# Altium PCB node24.PcbDoc (part 4 of 10)
Units mm, origin at the board's own origin, x right, y up, seen from the top; angles counter-clockwise.
Board outline 177.92 x 177.92 mm, 6 copper layers (L1 - Signal 1 (Top), L2 - Signal 2, L3 - Ground, L4 - Power, L5 - Signal 3, L6 - Signal 4 (Bot)), stack 1.511 mm thick; 721 components, 595 nets, 2782 pads, 2075 vias.
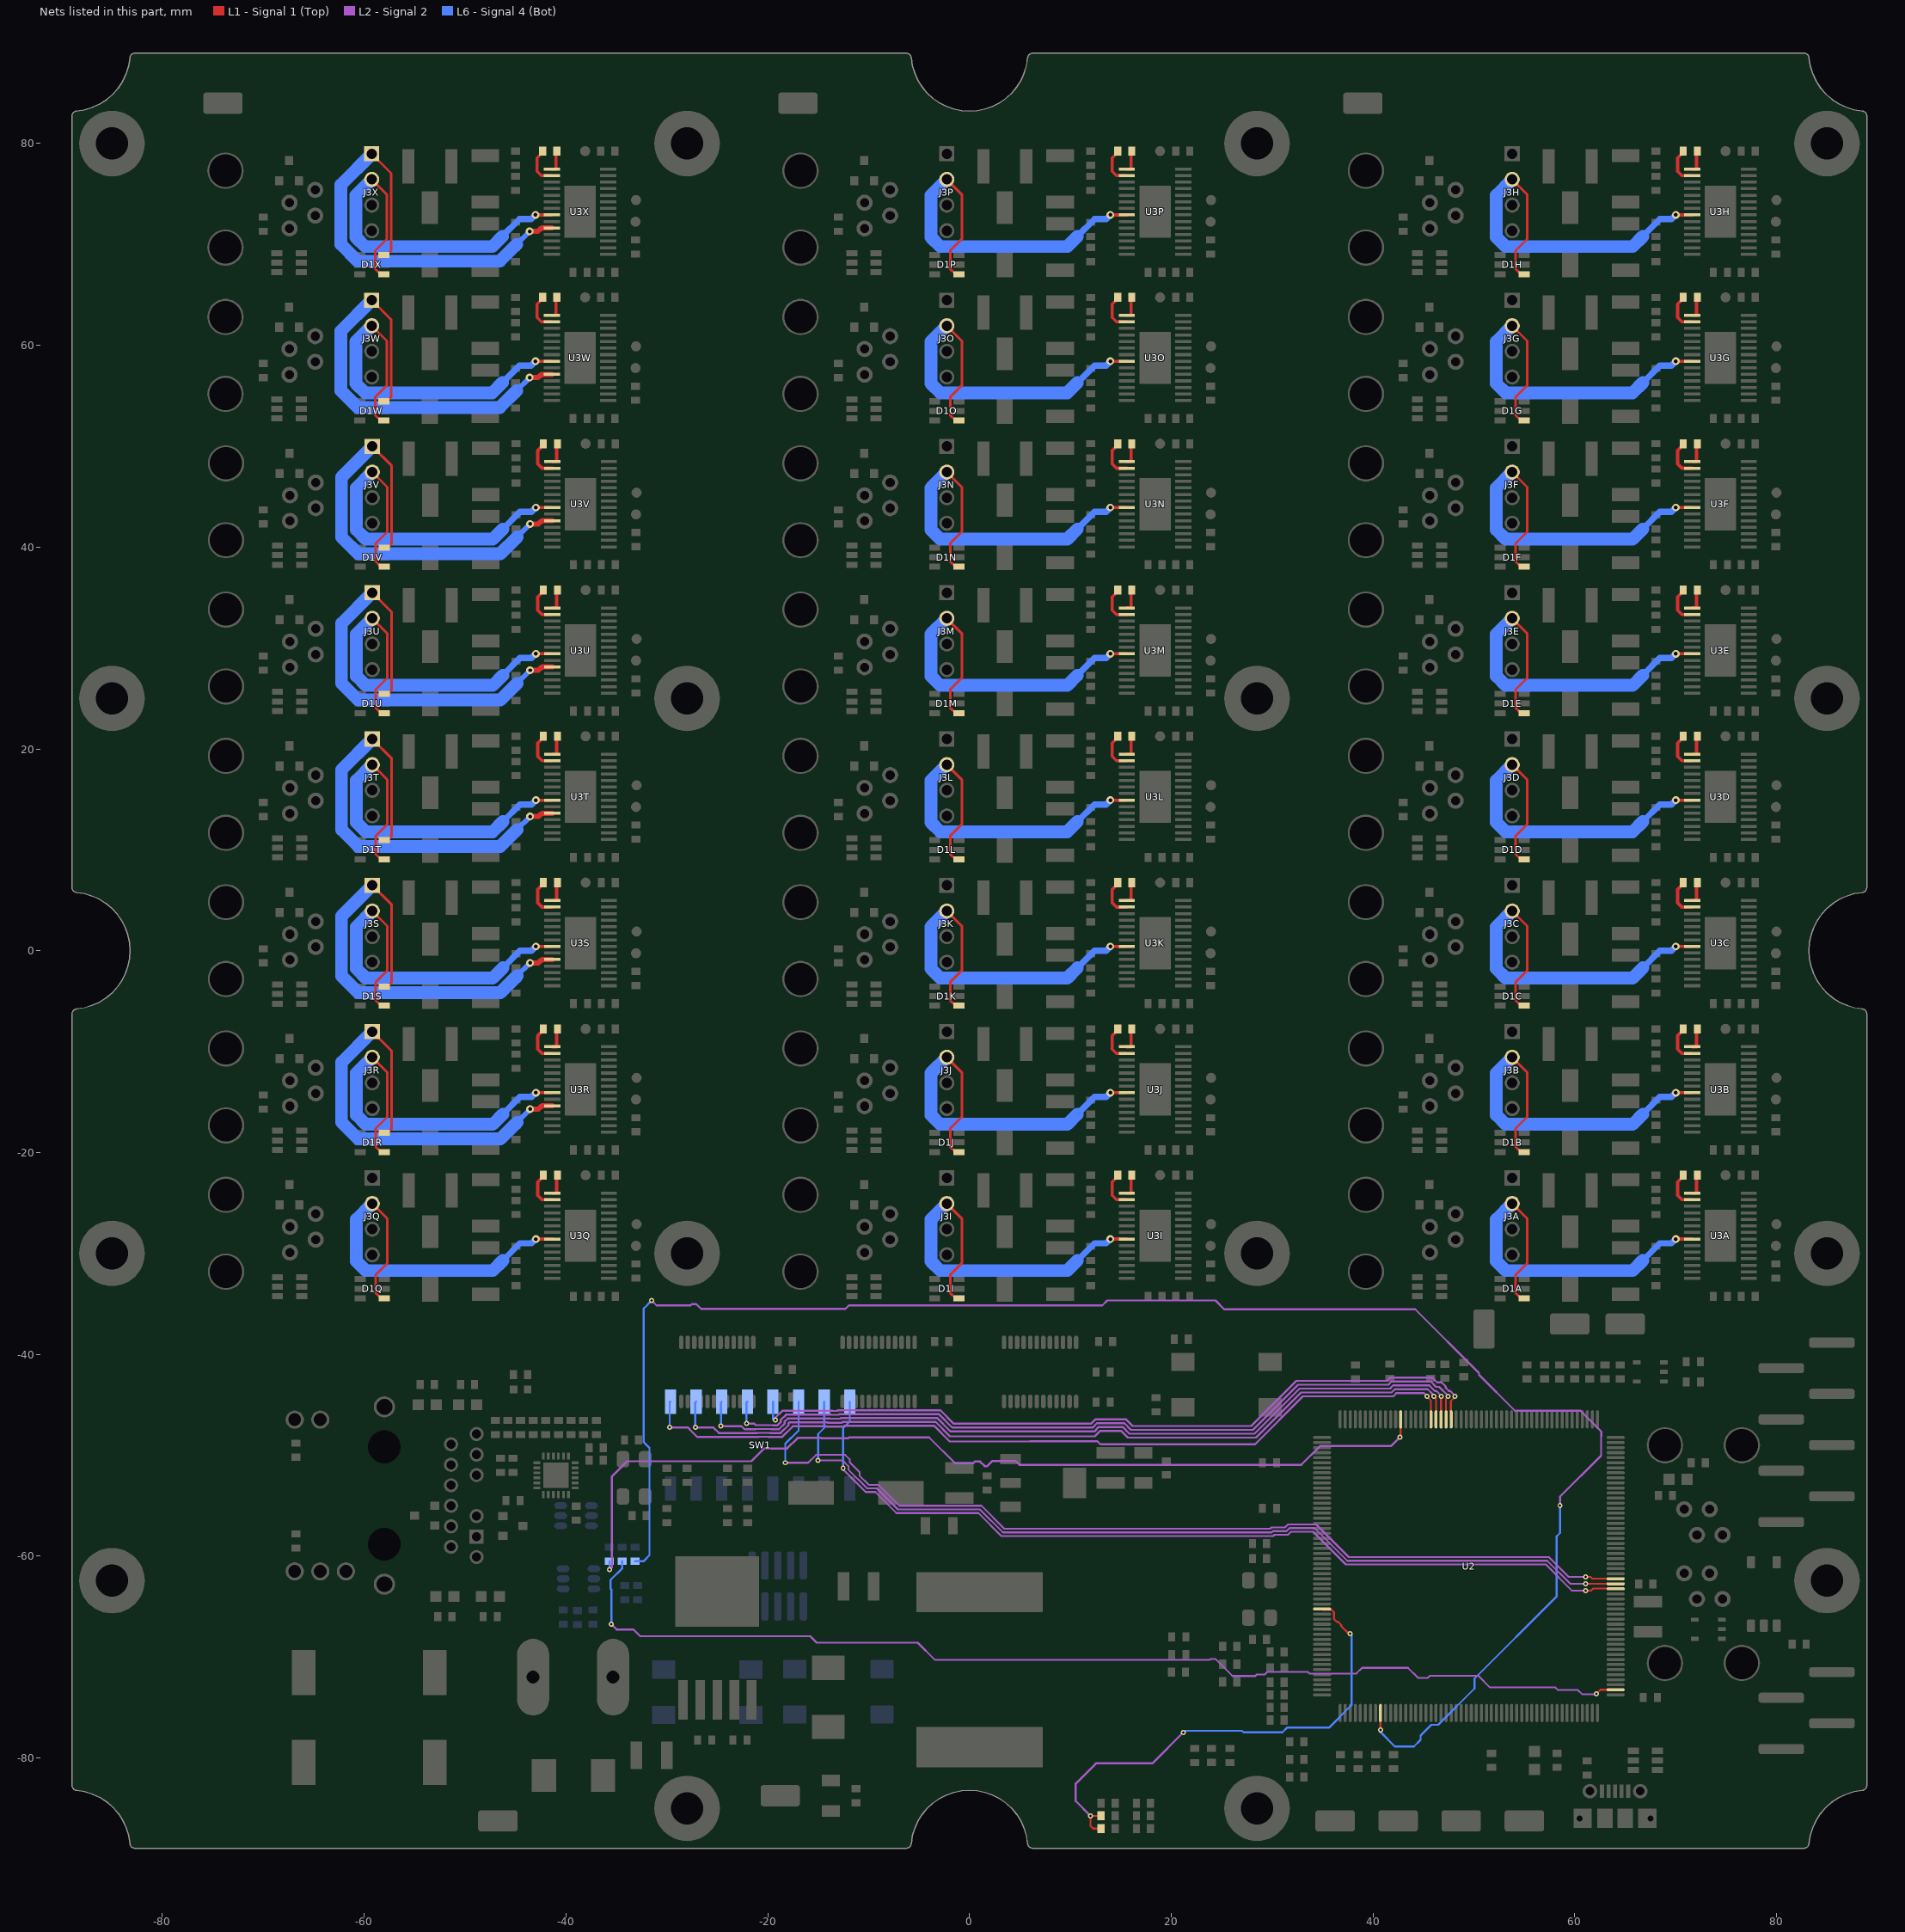
[diagram p8: the nets of this part, all layers, seen from the top]

## Via types
v1: diameter 0.508, hole 0.254, L1 - Signal 1 (Top) to L6 - Signal 4 (Bot), tented both sides, 1661 vias
v2: diameter 0.762, hole 0.381, L1 - Signal 1 (Top) to L6 - Signal 4 (Bot), 403 vias
v3: diameter 0.508, hole 0.254, L1 - Signal 1 (Top) to L6 - Signal 4 (Bot), 11 vias

## Nets (pads, with @x,y where several pads share a name; then routed paths per layer and width w, separated by ;. In a path a pad name is that pad's centre, name@x,y a point inside that pad or via, vN(x,y) a via of type N, cw(c..) or ccw(c..) an arc to the next point about the centre after c; other vN are vias at no path point) (continued)
BOUT+R: D1R.6 J3R.1 U3R.10 | length 44.5
  L1 - Signal 1 (Top) w0.254: J3R.1@-59.2,-8.02 -57.274,-9.946 -57.274,-17.624 -57.7,-18.05 D1R.6@-58,-18.05
  L1 - Signal 1 (Top) w0.508: v2(-43.55,-15.7) -42.733,-15.7 -42.485,-15.452 -42.405,-15.452 -42.328,-15.375 U3R.10@-41.35,-15.375
  L6 - Signal 4 (Bot) w0.508: -44.85,-17 v2(-43.55,-15.7)
  L6 - Signal 4 (Bot) w1.27: J3R.1@-59.2,-8.02 -62.25,-11.07 -62.25,-17 -60.594,-18.656 -46.506,-18.656 -44.85,-17
BOUT+S: D1S.6 J3S.1 U3S.10 | length 44.5
  L1 - Signal 1 (Top) w0.254: J3S.1@-59.2,6.48 -57.274,4.554 -57.274,-3.124 -57.7,-3.55 D1S.6@-58,-3.55
  L1 - Signal 1 (Top) w0.508: v2(-43.55,-1.2) -42.733,-1.2 -42.485,-0.952 -42.405,-0.952 -42.328,-0.875 U3S.10@-41.35,-0.875
  L6 - Signal 4 (Bot) w0.508: -44.85,-2.5 v2(-43.55,-1.2)
  L6 - Signal 4 (Bot) w1.27: J3S.1@-59.2,6.48 -62.25,3.43 -62.25,-2.5 -60.594,-4.156 -46.506,-4.156 -44.85,-2.5
BOUT+T: D1T.6 J3T.1 U3T.10 | length 44.5
  L1 - Signal 1 (Top) w0.254: J3T.1@-59.2,20.98 -57.274,19.054 -57.274,11.376 -57.7,10.95 D1T.6@-58,10.95
  L1 - Signal 1 (Top) w0.508: v2(-43.55,13.3) -42.733,13.3 -42.485,13.548 -42.405,13.548 -42.328,13.625 U3T.10@-41.35,13.625
  L6 - Signal 4 (Bot) w0.508: -44.85,12 v2(-43.55,13.3)
  L6 - Signal 4 (Bot) w1.27: J3T.1@-59.2,20.98 -62.25,17.93 -62.25,12 -60.594,10.344 -46.506,10.344 -44.85,12
BOUT+U: D1U.6 J3U.1 U3U.10 | length 44.5
  L1 - Signal 1 (Top) w0.254: J3U.1@-59.2,35.48 -57.274,33.554 -57.274,25.876 -57.7,25.45 D1U.6@-58,25.45
  L1 - Signal 1 (Top) w0.508: v2(-43.55,27.8) -42.733,27.8 -42.485,28.048 -42.405,28.048 -42.328,28.125 U3U.10@-41.35,28.125
  L6 - Signal 4 (Bot) w0.508: -44.85,26.5 v2(-43.55,27.8)
  L6 - Signal 4 (Bot) w1.27: J3U.1@-59.2,35.48 -62.25,32.43 -62.25,26.5 -60.594,24.844 -46.506,24.844 -44.85,26.5
BOUT+V: D1V.6 J3V.1 U3V.10 | length 44.5
  L1 - Signal 1 (Top) w0.254: J3V.1@-59.2,49.98 -57.274,48.054 -57.274,40.376 -57.7,39.95 D1V.6@-58,39.95
  L1 - Signal 1 (Top) w0.508: v2(-43.55,42.3) -42.733,42.3 -42.485,42.548 -42.405,42.548 -42.328,42.625 U3V.10@-41.35,42.625
  L6 - Signal 4 (Bot) w0.508: -44.85,41 v2(-43.55,42.3)
  L6 - Signal 4 (Bot) w1.27: J3V.1@-59.2,49.98 -62.25,46.93 -62.25,41 -60.594,39.344 -46.506,39.344 -44.85,41
BOUT+W: D1W.6 J3W.1 U3W.10 | length 44.5
  L1 - Signal 1 (Top) w0.254: J3W.1@-59.25,64.48 -57.324,62.554 -57.324,54.876 -57.75,54.45 D1W.6@-58.05,54.45
  L1 - Signal 1 (Top) w0.508: v2(-43.6,56.8) -42.783,56.8 -42.535,57.048 -42.455,57.048 -42.378,57.125 U3W.10@-41.4,57.125
  L6 - Signal 4 (Bot) w0.508: -44.9,55.5 v2(-43.6,56.8)
  L6 - Signal 4 (Bot) w1.27: J3W.1@-59.25,64.48 -62.3,61.43 -62.3,55.5 -60.644,53.844 -46.556,53.844 -44.9,55.5
BOUT+X: D1X.6 J3X.1 U3X.10 | length 44.5
  L1 - Signal 1 (Top) w0.254: J3X.1@-59.25,78.98 -57.324,77.054 -57.324,69.376 -57.75,68.95 D1X.6@-58.05,68.95
  L1 - Signal 1 (Top) w0.508: v2(-43.6,71.3) -42.783,71.3 -42.535,71.548 -42.455,71.548 -42.378,71.625 U3X.10@-41.4,71.625
  L6 - Signal 4 (Bot) w0.508: -44.9,70 v2(-43.6,71.3)
  L6 - Signal 4 (Bot) w1.27: J3X.1@-59.25,78.98 -62.3,75.93 -62.3,70 -60.644,68.344 -46.556,68.344 -44.9,70
BOUT-A: D1A.4 J3A.2 U3A.8 | length 38.5
  L1 - Signal 1 (Top) w0.254: J3A.2@53.8,-25.06 55.292,-26.552 55.292,-30.974 54.143,-32.123 54.143,-33.927 54.665,-34.45 D1A.4@55,-34.45
  L1 - Signal 1 (Top) w0.305: v2(70.025,-28.575) U3A.8@71.65,-28.575
  L6 - Signal 4 (Bot) w0.635: 66.75,-30.7 68.45,-29 69.6,-29 v2(70.025,-28.575)
  L6 - Signal 4 (Bot) w1.27: J3A.2@53.8,-25.06 52.235,-26.625 52.235,-30.788 53.152,-31.705 65.745,-31.705 66.75,-30.7
BOUT-B: D1B.4 J3B.2 U3B.8 | length 38.5
  L1 - Signal 1 (Top) w0.254: J3B.2@53.8,-10.56 55.292,-12.052 55.292,-16.474 54.143,-17.623 54.143,-19.427 54.665,-19.95 D1B.4@55,-19.95
  L1 - Signal 1 (Top) w0.305: v2(70.025,-14.075) U3B.8@71.65,-14.075
  L6 - Signal 4 (Bot) w0.635: 66.75,-16.2 68.45,-14.5 69.6,-14.5 v2(70.025,-14.075)
  L6 - Signal 4 (Bot) w1.27: J3B.2@53.8,-10.56 52.235,-12.125 52.235,-16.288 53.152,-17.205 65.745,-17.205 66.75,-16.2
BOUT-C: D1C.4 J3C.2 U3C.8 | length 38.5
  L1 - Signal 1 (Top) w0.254: J3C.2@53.8,3.94 55.292,2.448 55.292,-1.974 54.143,-3.123 54.143,-4.927 54.665,-5.45 D1C.4@55,-5.45
  L1 - Signal 1 (Top) w0.305: v2(70.025,0.425) U3C.8@71.65,0.425
  L6 - Signal 4 (Bot) w0.635: 66.75,-1.7 68.45,0 69.6,0 v2(70.025,0.425)
  L6 - Signal 4 (Bot) w1.27: J3C.2@53.8,3.94 52.235,2.375 52.235,-1.788 53.152,-2.705 65.745,-2.705 66.75,-1.7
BOUT-D: D1D.4 J3D.2 U3D.8 | length 38.5
  L1 - Signal 1 (Top) w0.254: J3D.2@53.8,18.44 55.292,16.948 55.292,12.526 54.143,11.377 54.143,9.573 54.665,9.05 D1D.4@55,9.05
  L1 - Signal 1 (Top) w0.305: v2(70.025,14.925) U3D.8@71.65,14.925
  L6 - Signal 4 (Bot) w0.635: 66.75,12.8 68.45,14.5 69.6,14.5 v2(70.025,14.925)
  L6 - Signal 4 (Bot) w1.27: J3D.2@53.8,18.44 52.235,16.875 52.235,12.712 53.152,11.795 65.745,11.795 66.75,12.8
BOUT-E: D1E.4 J3E.2 U3E.8 | length 38.5
  L1 - Signal 1 (Top) w0.254: J3E.2@53.8,32.94 55.292,31.448 55.292,27.026 54.143,25.877 54.143,24.073 54.665,23.55 D1E.4@55,23.55
  L1 - Signal 1 (Top) w0.305: v2(70.025,29.425) U3E.8@71.65,29.425
  L6 - Signal 4 (Bot) w0.635: 66.75,27.3 68.45,29 69.6,29 v2(70.025,29.425)
  L6 - Signal 4 (Bot) w1.27: J3E.2@53.8,32.94 52.235,31.375 52.235,27.212 53.152,26.295 65.745,26.295 66.75,27.3
BOUT-F: D1F.4 J3F.2 U3F.8 | length 38.5
  L1 - Signal 1 (Top) w0.254: J3F.2@53.8,47.44 55.292,45.948 55.292,41.526 54.143,40.377 54.143,38.573 54.665,38.05 D1F.4@55,38.05
  L1 - Signal 1 (Top) w0.305: v2(70.025,43.925) U3F.8@71.65,43.925
  L6 - Signal 4 (Bot) w0.635: 66.75,41.8 68.45,43.5 69.6,43.5 v2(70.025,43.925)
  L6 - Signal 4 (Bot) w1.27: J3F.2@53.8,47.44 52.235,45.875 52.235,41.712 53.152,40.795 65.745,40.795 66.75,41.8
BOUT-G: D1G.4 J3G.2 U3G.8 | length 38.5
  L1 - Signal 1 (Top) w0.254: J3G.2@53.8,61.94 55.292,60.448 55.292,56.026 54.143,54.877 54.143,53.073 54.665,52.55 D1G.4@55,52.55
  L1 - Signal 1 (Top) w0.305: v2(70.025,58.425) U3G.8@71.65,58.425
  L6 - Signal 4 (Bot) w0.635: 66.75,56.3 68.45,58 69.6,58 v2(70.025,58.425)
  L6 - Signal 4 (Bot) w1.27: J3G.2@53.8,61.94 52.235,60.375 52.235,56.212 53.152,55.295 65.745,55.295 66.75,56.3
BOUT-H: D1H.4 J3H.2 U3H.8 | length 38.5
  L1 - Signal 1 (Top) w0.254: J3H.2@53.8,76.44 55.292,74.948 55.292,70.526 54.143,69.377 54.143,67.573 54.665,67.05 D1H.4@55,67.05
  L1 - Signal 1 (Top) w0.305: v2(70.025,72.925) U3H.8@71.65,72.925
  L6 - Signal 4 (Bot) w0.635: 66.75,70.8 68.45,72.5 69.6,72.5 v2(70.025,72.925)
  L6 - Signal 4 (Bot) w1.27: J3H.2@53.8,76.44 52.235,74.875 52.235,70.712 53.152,69.795 65.745,69.795 66.75,70.8
BOUT-I: D1I.4 J3I.2 U3I.8 | length 38.5
  L1 - Signal 1 (Top) w0.254: J3I.2@-2.25,-25.06 -0.758,-26.552 -0.758,-30.974 -1.907,-32.123 -1.907,-33.927 -1.385,-34.45 D1I.4@-1.05,-34.45
  L1 - Signal 1 (Top) w0.305: v2(13.975,-28.575) U3I.8@15.6,-28.575
  L6 - Signal 4 (Bot) w0.635: 10.7,-30.7 12.4,-29 13.55,-29 v2(13.975,-28.575)
  L6 - Signal 4 (Bot) w1.27: J3I.2@-2.25,-25.06 -3.815,-26.625 -3.815,-30.788 -2.898,-31.705 9.695,-31.705 10.7,-30.7
BOUT-J: D1J.4 J3J.2 U3J.8 | length 38.5
  L1 - Signal 1 (Top) w0.254: J3J.2@-2.25,-10.56 -0.758,-12.052 -0.758,-16.474 -1.907,-17.623 -1.907,-19.427 -1.385,-19.95 D1J.4@-1.05,-19.95
  L1 - Signal 1 (Top) w0.305: v2(13.975,-14.075) U3J.8@15.6,-14.075
  L6 - Signal 4 (Bot) w0.635: 10.7,-16.2 12.4,-14.5 13.55,-14.5 v2(13.975,-14.075)
  L6 - Signal 4 (Bot) w1.27: J3J.2@-2.25,-10.56 -3.815,-12.125 -3.815,-16.288 -2.898,-17.205 9.695,-17.205 10.7,-16.2
BOUT-K: D1K.4 J3K.2 U3K.8 | length 38.5
  L1 - Signal 1 (Top) w0.254: J3K.2@-2.25,3.94 -0.758,2.448 -0.758,-1.974 -1.907,-3.123 -1.907,-4.927 -1.385,-5.45 D1K.4@-1.05,-5.45
  L1 - Signal 1 (Top) w0.305: v2(13.975,0.425) U3K.8@15.6,0.425
  L6 - Signal 4 (Bot) w0.635: 10.7,-1.7 12.4,0 13.55,0 v2(13.975,0.425)
  L6 - Signal 4 (Bot) w1.27: J3K.2@-2.25,3.94 -3.815,2.375 -3.815,-1.788 -2.898,-2.705 9.695,-2.705 10.7,-1.7
BOUT-L: D1L.4 J3L.2 U3L.8 | length 38.5
  L1 - Signal 1 (Top) w0.254: J3L.2@-2.25,18.44 -0.758,16.948 -0.758,12.526 -1.907,11.377 -1.907,9.573 -1.385,9.05 D1L.4@-1.05,9.05
  L1 - Signal 1 (Top) w0.305: v2(13.975,14.925) U3L.8@15.6,14.925
  L6 - Signal 4 (Bot) w0.635: 10.7,12.8 12.4,14.5 13.55,14.5 v2(13.975,14.925)
  L6 - Signal 4 (Bot) w1.27: J3L.2@-2.25,18.44 -3.815,16.875 -3.815,12.712 -2.898,11.795 9.695,11.795 10.7,12.8
BOUT-M: D1M.4 J3M.2 U3M.8 | length 38.5
  L1 - Signal 1 (Top) w0.254: J3M.2@-2.25,32.94 -0.758,31.448 -0.758,27.026 -1.907,25.877 -1.907,24.073 -1.385,23.55 D1M.4@-1.05,23.55
  L1 - Signal 1 (Top) w0.305: v2(13.975,29.425) U3M.8@15.6,29.425
  L6 - Signal 4 (Bot) w0.635: 10.7,27.3 12.4,29 13.55,29 v2(13.975,29.425)
  L6 - Signal 4 (Bot) w1.27: J3M.2@-2.25,32.94 -3.815,31.375 -3.815,27.212 -2.898,26.295 9.695,26.295 10.7,27.3
BOUT-N: D1N.4 J3N.2 U3N.8 | length 38.5
  L1 - Signal 1 (Top) w0.254: J3N.2@-2.25,47.44 -0.758,45.948 -0.758,41.526 -1.907,40.377 -1.907,38.573 -1.385,38.05 D1N.4@-1.05,38.05
  L1 - Signal 1 (Top) w0.305: v2(13.975,43.925) U3N.8@15.6,43.925
  L6 - Signal 4 (Bot) w0.635: 10.7,41.8 12.4,43.5 13.55,43.5 v2(13.975,43.925)
  L6 - Signal 4 (Bot) w1.27: J3N.2@-2.25,47.44 -3.815,45.875 -3.815,41.712 -2.898,40.795 9.695,40.795 10.7,41.8
BOUT-O: D1O.4 J3O.2 U3O.8 | length 38.5
  L1 - Signal 1 (Top) w0.254: J3O.2@-2.25,61.94 -0.758,60.448 -0.758,56.026 -1.907,54.877 -1.907,53.073 -1.385,52.55 D1O.4@-1.05,52.55
  L1 - Signal 1 (Top) w0.305: v2(13.975,58.425) U3O.8@15.6,58.425
  L6 - Signal 4 (Bot) w0.635: 10.7,56.3 12.4,58 13.55,58 v2(13.975,58.425)
  L6 - Signal 4 (Bot) w1.27: J3O.2@-2.25,61.94 -3.815,60.375 -3.815,56.212 -2.898,55.295 9.695,55.295 10.7,56.3
BOUT-P: D1P.4 J3P.2 U3P.8 | length 38.5
  L1 - Signal 1 (Top) w0.254: J3P.2@-2.25,76.44 -0.758,74.948 -0.758,70.526 -1.907,69.377 -1.907,67.573 -1.385,67.05 D1P.4@-1.05,67.05
  L1 - Signal 1 (Top) w0.305: v2(13.975,72.925) U3P.8@15.6,72.925
  L6 - Signal 4 (Bot) w0.635: 10.7,70.8 12.4,72.5 13.55,72.5 v2(13.975,72.925)
  L6 - Signal 4 (Bot) w1.27: J3P.2@-2.25,76.44 -3.815,74.875 -3.815,70.712 -2.898,69.795 9.695,69.795 10.7,70.8
BOUT-Q: D1Q.4 J3Q.2 U3Q.8 | length 38.5
  L1 - Signal 1 (Top) w0.254: J3Q.2@-59.2,-25.06 -57.708,-26.552 -57.708,-30.974 -58.857,-32.123 -58.857,-33.927 -58.335,-34.45 D1Q.4@-58,-34.45
  L1 - Signal 1 (Top) w0.305: v2(-42.975,-28.575) U3Q.8@-41.35,-28.575
  L6 - Signal 4 (Bot) w0.635: -46.25,-30.7 -44.55,-29 -43.4,-29 v2(-42.975,-28.575)
  L6 - Signal 4 (Bot) w1.27: J3Q.2@-59.2,-25.06 -60.765,-26.625 -60.765,-30.788 -59.848,-31.705 -47.255,-31.705 -46.25,-30.7
BOUT-R: D1R.4 J3R.2 U3R.8 | length 38.5
  L1 - Signal 1 (Top) w0.254: J3R.2@-59.2,-10.56 -57.708,-12.052 -57.708,-16.474 -58.857,-17.623 -58.857,-19.427 -58.335,-19.95 D1R.4@-58,-19.95
  L1 - Signal 1 (Top) w0.305: v2(-42.975,-14.075) U3R.8@-41.35,-14.075
  L6 - Signal 4 (Bot) w0.635: -46.25,-16.2 -44.55,-14.5 -43.4,-14.5 v2(-42.975,-14.075)
  L6 - Signal 4 (Bot) w1.27: J3R.2@-59.2,-10.56 -60.765,-12.125 -60.765,-16.288 -59.848,-17.205 -47.255,-17.205 -46.25,-16.2
BOUT-S: D1S.4 J3S.2 U3S.8 | length 38.5
  L1 - Signal 1 (Top) w0.254: J3S.2@-59.2,3.94 -57.708,2.448 -57.708,-1.974 -58.857,-3.123 -58.857,-4.927 -58.335,-5.45 D1S.4@-58,-5.45
  L1 - Signal 1 (Top) w0.305: v2(-42.975,0.425) U3S.8@-41.35,0.425
  L6 - Signal 4 (Bot) w0.635: -46.25,-1.7 -44.55,0 -43.4,0 v2(-42.975,0.425)
  L6 - Signal 4 (Bot) w1.27: J3S.2@-59.2,3.94 -60.765,2.375 -60.765,-1.788 -59.848,-2.705 -47.255,-2.705 -46.25,-1.7
BOUT-T: D1T.4 J3T.2 U3T.8 | length 38.5
  L1 - Signal 1 (Top) w0.254: J3T.2@-59.2,18.44 -57.708,16.948 -57.708,12.526 -58.857,11.377 -58.857,9.573 -58.335,9.05 D1T.4@-58,9.05
  L1 - Signal 1 (Top) w0.305: v2(-42.975,14.925) U3T.8@-41.35,14.925
  L6 - Signal 4 (Bot) w0.635: -46.25,12.8 -44.55,14.5 -43.4,14.5 v2(-42.975,14.925)
  L6 - Signal 4 (Bot) w1.27: J3T.2@-59.2,18.44 -60.765,16.875 -60.765,12.712 -59.848,11.795 -47.255,11.795 -46.25,12.8
BOUT-U: D1U.4 J3U.2 U3U.8 | length 38.5
  L1 - Signal 1 (Top) w0.254: J3U.2@-59.2,32.94 -57.708,31.448 -57.708,27.026 -58.857,25.877 -58.857,24.073 -58.335,23.55 D1U.4@-58,23.55
  L1 - Signal 1 (Top) w0.305: v2(-42.975,29.425) U3U.8@-41.35,29.425
  L6 - Signal 4 (Bot) w0.635: -46.25,27.3 -44.55,29 -43.4,29 v2(-42.975,29.425)
  L6 - Signal 4 (Bot) w1.27: J3U.2@-59.2,32.94 -60.765,31.375 -60.765,27.212 -59.848,26.295 -47.255,26.295 -46.25,27.3
BOUT-V: D1V.4 J3V.2 U3V.8 | length 38.5
  L1 - Signal 1 (Top) w0.254: J3V.2@-59.2,47.44 -57.708,45.948 -57.708,41.526 -58.857,40.377 -58.857,38.573 -58.335,38.05 D1V.4@-58,38.05
  L1 - Signal 1 (Top) w0.305: v2(-42.975,43.925) U3V.8@-41.35,43.925
  L6 - Signal 4 (Bot) w0.635: -46.25,41.8 -44.55,43.5 -43.4,43.5 v2(-42.975,43.925)
  L6 - Signal 4 (Bot) w1.27: J3V.2@-59.2,47.44 -60.765,45.875 -60.765,41.712 -59.848,40.795 -47.255,40.795 -46.25,41.8
BOUT-W: D1W.4 J3W.2 U3W.8 | length 38.5
  L1 - Signal 1 (Top) w0.254: J3W.2@-59.25,61.94 -57.758,60.448 -57.758,56.026 -58.907,54.877 -58.907,53.073 -58.385,52.55 D1W.4@-58.05,52.55
  L1 - Signal 1 (Top) w0.305: v2(-43.025,58.425) U3W.8@-41.4,58.425
  L6 - Signal 4 (Bot) w0.635: -46.3,56.3 -44.6,58 -43.45,58 v2(-43.025,58.425)
  L6 - Signal 4 (Bot) w1.27: J3W.2@-59.25,61.94 -60.815,60.375 -60.815,56.212 -59.898,55.295 -47.305,55.295 -46.3,56.3
BOUT-X: D1X.4 J3X.2 U3X.8 | length 38.5
  L1 - Signal 1 (Top) w0.254: J3X.2@-59.25,76.44 -57.758,74.948 -57.758,70.526 -58.907,69.377 -58.907,67.573 -58.385,67.05 D1X.4@-58.05,67.05
  L1 - Signal 1 (Top) w0.305: v2(-43.025,72.925) U3X.8@-41.4,72.925
  L6 - Signal 4 (Bot) w0.635: -46.3,70.8 -44.6,72.5 -43.45,72.5 v2(-43.025,72.925)
  L6 - Signal 4 (Bot) w1.27: J3X.2@-59.25,76.44 -60.815,74.875 -60.815,70.712 -59.898,69.795 -47.305,69.795 -46.3,70.8
BRD-BUTTON: C15.2 R18.1 U2.35 | length 49.1
  L1 - Signal 1 (Top) w0.203: C15.2@13.05,-87 12.25,-87 12,-86.75 v1(12,-85.75) R18.1@13.05,-85.75 ; U2.35@34.95,-65.25 35.018,-65.318 35.879,-65.318 36.132,-65.571 36.132,-66.231 36.421,-66.52 36.544,-66.52 36.858,-66.834 36.858,-66.957 37.592,-67.691 v1(37.719,-67.691)
  L2 - Signal 2 w0.203: v1(12,-85.75) 10.541,-84.291 10.541,-82.55 12.541,-80.55 18.129,-80.55 v1(21.209,-77.47)
  L6 - Signal 4 (Bot) w0.203: v1(21.209,-77.47) 21.364,-77.315 27.019,-77.315 27.174,-77.47 31.022,-77.47 31.478,-77.014 35.635,-77.014 37.874,-74.775 37.874,-67.846 v1(37.719,-67.691)
BRD-ID-0: SW1.16 U2.126 | length 89
  L1 - Signal 1 (Top) w0.18: v1(61.1,-63.438) 61.6,-63.438 61.813,-63.226 64.026,-63.226 U2.126@64.05,-63.25
  L2 - Signal 2 w0.18: v1(-12.525,-51.3) -12.525,-51.415 -10.29,-53.65 -9.325,-53.65 -7.239,-55.736 0.891,-55.736 3.169,-58.015 30.107,-58.015 30.234,-57.888 31.578,-57.888 31.874,-57.592 34.068,-57.592 37.301,-60.825 57.13,-60.825 59.743,-63.438 v1(61.1,-63.438)
  L6 - Signal 4 (Bot) w0.18: v1(-12.525,-51.3) -12.525,-47.323 -11.86,-46.658 SW1.16@-11.86,-44.7
BRD-ID-1: SW1.15 U2.127 | length 90.7
  L1 - Signal 1 (Top) w0.18: v1(61.1,-62.75) U2.127@64.05,-62.75
  L2 - Signal 2 w0.18: v1(-15,-50.5) -12.583,-50.5 -12,-51.083 -12,-51.43 -10.14,-53.29 -9.175,-53.29 -7.089,-55.376 1.04,-55.376 3.319,-57.654 29.958,-57.654 30.085,-57.527 31.428,-57.527 31.724,-57.231 34.217,-57.231 37.451,-60.464 57.279,-60.464 59.565,-62.75 v1(61.1,-62.75)
  L6 - Signal 4 (Bot) w0.18: v1(-15,-50.5) -15,-47.893 -14.4,-47.293 SW1.15@-14.4,-44.7
BRD-ID-2: SW1.14 U2.128 | length 95
  L1 - Signal 1 (Top) w0.18: v1(61.1,-62.062) 61.574,-62.062 61.762,-62.25 U2.128@64.05,-62.25
  L2 - Signal 2 w0.18: v1(-18.25,-50.75) -15.992,-50.75 -15.217,-49.975 -12.3,-49.975 -11.875,-50.4 -11.875,-50.692 -10.896,-51.67 -10.896,-52.024 -9.991,-52.929 -9.026,-52.929 -6.94,-55.015 1.19,-55.015 3.468,-57.294 29.808,-57.294 29.935,-57.167 31.279,-57.167 31.575,-56.87 34.367,-56.87 37.6,-60.104 57.429,-60.104 59.387,-62.062 v1(61.1,-62.062)
  L6 - Signal 4 (Bot) w0.18: v1(-18.25,-50.75) -18.25,-48.857 -16.94,-47.547 SW1.14@-16.94,-44.7
BRD-ID-3: SW1.13 U2.186 | length 76.2
  L1 - Signal 1 (Top) w0.18: U2.186@47.75,-46.45 47.725,-46.425 47.725,-44.63 48.127,-44.228 v1(48.127,-44.175)
  L2 - Signal 2 w0.203: v1(-19.25,-46.5) -19.25,-46.301 -18.556,-45.607 -13.571,-45.607 -13.557,-45.621 -13.113,-45.621 -13.037,-45.545 -2.888,-45.545 -1.547,-46.886 12.049,-46.886 12.499,-46.436 15.501,-46.436 16.174,-47.109 27.937,-47.109 32.412,-42.634 32.917,-42.634 32.921,-42.63 41.374,-42.63 41.689,-42.316 45.899,-42.316 46.359,-42.776 46.797,-42.776 47.214,-43.193 47.214,-43.325 47.528,-43.639 47.66,-43.639 48.127,-44.105 v1(48.127,-44.175)
  L6 - Signal 4 (Bot) w0.203: SW1.13@-19.48,-44.7 -19.48,-46.433 -19.413,-46.5 v1(-19.25,-46.5)
BRD-ID-4: SW1.12 U2.187 | length 78.4
  L1 - Signal 1 (Top) w0.18: U2.187@47.25,-46.45 47.25,-44.417 47.438,-44.228 v1(47.438,-44.175)
  L2 - Signal 2 w0.203: v1(-22.098,-46.863) -21.35,-46.863 -21.195,-47.018 -19.49,-47.018 -19.472,-47.036 -19.028,-47.036 -18.714,-46.722 -18.714,-46.523 -18.181,-45.99 -13.73,-45.99 -13.716,-46.004 -12.954,-46.004 -12.878,-45.928 -3.047,-45.928 -1.706,-47.269 12.208,-47.269 12.658,-46.82 15.342,-46.82 16.015,-47.493 28.096,-47.493 32.571,-43.017 33.075,-43.017 33.079,-43.013 41.533,-43.013 41.847,-42.699 45.74,-42.699 46.267,-43.226 46.559,-43.226 47.438,-44.105 v1(47.438,-44.175)
  L6 - Signal 4 (Bot) w0.203: v1(-22.098,-46.863) -22.098,-44.778 SW1.12@-22.02,-44.7
BRD-ID-5: SW1.11 U2.188 | length 80.4
  L1 - Signal 1 (Top) w0.18: U2.188@46.75,-46.45 v1(46.75,-44.175)
  L2 - Signal 2 w0.203: v1(-24.638,-47.117) -22.619,-47.117 -22.304,-47.432 -21.213,-47.432 -21.182,-47.401 -19.649,-47.401 -19.631,-47.419 -18.869,-47.419 -18.33,-46.881 -18.33,-46.682 -18.022,-46.374 -13.889,-46.374 -13.875,-46.388 -12.795,-46.388 -12.719,-46.312 -3.206,-46.312 -1.865,-47.653 12.367,-47.653 12.817,-47.204 15.183,-47.204 15.856,-47.876 28.255,-47.876 32.73,-43.401 33.234,-43.401 33.238,-43.397 34.318,-43.397 34.319,-43.398 41.691,-43.398 42.006,-43.083 45.582,-43.083 46.138,-43.639 46.284,-43.639 46.75,-44.105 v1(46.75,-44.175)
  L6 - Signal 4 (Bot) w0.203: v1(-24.638,-47.117) -24.638,-44.778 SW1.11@-24.56,-44.7
BRD-ID-6: SW1.10 U2.189 | length 82.3
  L1 - Signal 1 (Top) w0.18: v1(46.062,-44.175) 46.062,-44.228 46.25,-44.417 U2.189@46.25,-46.45
  L2 - Signal 2 w0.203: v1(-27.178,-47.244) -25.4,-47.244 -24.828,-47.816 -21.054,-47.816 -21.023,-47.785 -19.808,-47.785 -19.79,-47.803 -18.71,-47.803 -17.947,-47.04 -17.947,-46.841 -17.864,-46.757 -14.048,-46.757 -14.034,-46.772 -12.636,-46.772 -12.56,-46.695 -3.365,-46.695 -1.927,-48.133 12.429,-48.133 12.975,-47.587 15.025,-47.587 15.698,-48.26 28.414,-48.26 32.889,-43.785 33.393,-43.785 33.397,-43.781 34.159,-43.781 34.16,-43.782 41.85,-43.782 42.165,-43.466 45.423,-43.466 45.909,-43.953 v1@45.909,-44.1
  L6 - Signal 4 (Bot) w0.203: v1(-27.178,-47.244) -27.178,-44.778 SW1.10@-27.1,-44.7
BRD-ID-7: SW1.9 U2.190 | length 84
  L1 - Signal 1 (Top) w0.18: v1(45.373,-44.175) 45.373,-44.228 45.75,-44.605 U2.190@45.75,-46.45
  L2 - Signal 2 w0.203: v1(-29.718,-47.244) -27.931,-47.244 -27.714,-47.461 -27.714,-47.466 -26.981,-48.199 -20.895,-48.199 -20.864,-48.169 -19.966,-48.169 -19.949,-48.186 -18.551,-48.186 -17.506,-47.141 -14.207,-47.141 -14.192,-47.155 -12.478,-47.155 -12.401,-47.079 -3.524,-47.079 -1.962,-48.641 5.973,-48.641 6.001,-48.613 12.676,-48.613 12.975,-48.913 28.303,-48.913 33.048,-44.168 33.552,-44.168 33.556,-44.164 34,-44.164 34.004,-44.168 34.31,-44.168 34.312,-44.166 42.008,-44.166 42.324,-43.85 45.048,-43.85 v1(45.373,-44.175)
  L6 - Signal 4 (Bot) w0.203: v1(-29.718,-47.244) -29.718,-44.778 SW1.9@-29.64,-44.7
BRD-LED-B: R68.2 U2.196 | length 94.5
  L1 - Signal 1 (Top) w0.203: v1(42.672,-48.203) 42.75,-48.125 U2.196@42.75,-46.45
  L2 - Signal 2 w0.203: v1(-35.687,-61.341) -35.436,-61.09 -35.436,-52.093 -33.948,-50.605 -21.619,-50.605 -20.351,-49.337 -18.075,-49.337 -17.029,-48.291 -14.683,-48.291 -14.669,-48.306 -12.001,-48.306 -11.925,-48.23 -4,-48.23 -1.433,-50.796 0.37,-50.796 0.531,-50.636 1.057,-50.636 1.503,-51.082 1.762,-51.082 2.273,-50.571 4.563,-50.571 4.947,-50.955 32.019,-50.955 32.028,-50.964 32.886,-50.964 34.75,-49.1 41.775,-49.1 v1(42.672,-48.203)
  L6 - Signal 4 (Bot) w0.203: v1(-35.687,-61.341) R68.2@-35.687,-60.517
BRD-LED-G: R69.1 U2.61 | length 173
  L1 - Signal 1 (Top) w0.2: v1(40.75,-77.25) U2.61@40.75,-75.55
  L2 - Signal 2 w0.2: v1(-31.496,-34.671) -31.017,-35.15 -27.651,-35.15 -27.526,-35.026 -27.084,-35.026 -26.609,-35.5 -12.291,-35.5 -11.952,-35.161 8.88,-35.161 8.891,-35.15 9.651,-35.15 9.662,-35.161 13.176,-35.161 13.667,-34.671 24.384,-34.671 25.247,-35.534 44.197,-35.534 50.517,-41.854 50.517,-42.032 54.078,-45.593 60.573,-45.593 62.637,-47.658 62.637,-48.1 62.611,-48.127 62.611,-50.038 58.547,-54.102 v1(58.547,-54.991)
  L6 - Signal 4 (Bot) w0.2: R69.1@-33.147,-60.517 -32.323,-60.517 -31.724,-59.918 -31.724,-49.282 -32.284,-48.721 -32.284,-35.459 v1(-31.496,-34.671) ; v1(40.75,-77.25) 40.75,-77.453 42.164,-78.867 44.069,-78.867 44.716,-78.22 44.716,-77.779 45.779,-76.716 46.468,-76.716 50.064,-73.119 50.064,-72.136 58.216,-63.985 58.216,-58.029 58.547,-57.697 v1(58.547,-54.991)
BRD-LED-R: R70.2 U2.106 | length 110.4
  L1 - Signal 1 (Top) w0.18: v1(62.15,-73.65) 62.55,-73.25 U2.106@64.05,-73.25
  L2 - Signal 2 w0.18: -32.639,-67.941 -15.784,-67.941 -15.146,-68.579 -5.129,-68.579 -3.407,-70.3 23.8,-70.3 23.913,-70.187 24.38,-70.187 26.078,-71.885 28.338,-71.885 28.485,-71.738 29.263,-71.738 29.517,-71.485 33.547,-71.485 33.697,-71.635 38.365,-71.635 38.925,-71.075 43.475,-71.075 44.475,-72.075 45.42,-72.075 45.63,-71.865 50.44,-71.865 51.6,-73.025 58.075,-73.025 58.329,-73.279 60.321,-73.279 60.731,-73.688 62.112,-73.688 v1(62.15,-73.65)
  L2 - Signal 2 w0.2: v1(-35.5,-66.75) -34.966,-67.284 -33.296,-67.284 -32.639,-67.941
  L6 - Signal 4 (Bot) w0.2: v1(-35.5,-66.75) -35.5,-63.3 -35.586,-63.213 -35.586,-62.383 -34.417,-61.214 R70.2@-34.417,-60.517
CP1A: C39A.2 U3A.1 | length 2.2
  L1 - Signal 1 (Top) w0.305: U3A.1@71.65,-24.025 72.075,-24.025 72.075,-22.325 C39A.2@72.15,-22.25
CP1B: C39B.2 U3B.1 | length 2.2
  L1 - Signal 1 (Top) w0.305: U3B.1@71.65,-9.525 72.075,-9.525 72.075,-7.825 C39B.2@72.15,-7.75
CP1C: C39C.2 U3C.1 | length 2.2
  L1 - Signal 1 (Top) w0.305: U3C.1@71.65,4.975 72.075,4.975 72.075,6.675 C39C.2@72.15,6.75
CP1D: C39D.2 U3D.1 | length 2.2
  L1 - Signal 1 (Top) w0.305: U3D.1@71.65,19.475 72.075,19.475 72.075,21.175 C39D.2@72.15,21.25
CP1E: C39E.2 U3E.1 | length 2.2
  L1 - Signal 1 (Top) w0.305: U3E.1@71.65,33.975 72.075,33.975 72.075,35.675 C39E.2@72.15,35.75
CP1F: C39F.2 U3F.1 | length 2.2
  L1 - Signal 1 (Top) w0.305: U3F.1@71.65,48.475 72.075,48.475 72.075,50.175 C39F.2@72.15,50.25
CP1G: C39G.2 U3G.1 | length 2.2
  L1 - Signal 1 (Top) w0.305: U3G.1@71.65,62.975 72.075,62.975 72.075,64.675 C39G.2@72.15,64.75
CP1H: C39H.2 U3H.1 | length 2.2
  L1 - Signal 1 (Top) w0.305: U3H.1@71.65,77.475 72.075,77.475 72.075,79.175 C39H.2@72.15,79.25
CP1I: C39I.2 U3I.1 | length 2.2
  L1 - Signal 1 (Top) w0.305: U3I.1@15.6,-24.025 16.025,-24.025 16.025,-22.325 C39I.2@16.1,-22.25
CP1J: C39J.2 U3J.1 | length 2.2
  L1 - Signal 1 (Top) w0.305: U3J.1@15.6,-9.525 16.025,-9.525 16.025,-7.825 C39J.2@16.1,-7.75
CP1K: C39K.2 U3K.1 | length 2.2
  L1 - Signal 1 (Top) w0.305: U3K.1@15.6,4.975 16.025,4.975 16.025,6.675 C39K.2@16.1,6.75
CP1L: C39L.2 U3L.1 | length 2.2
  L1 - Signal 1 (Top) w0.305: U3L.1@15.6,19.475 16.025,19.475 16.025,21.175 C39L.2@16.1,21.25
CP1M: C39M.2 U3M.1 | length 2.2
  L1 - Signal 1 (Top) w0.305: U3M.1@15.6,33.975 16.025,33.975 16.025,35.675 C39M.2@16.1,35.75
CP1N: C39N.2 U3N.1 | length 2.2
  L1 - Signal 1 (Top) w0.305: U3N.1@15.6,48.475 16.025,48.475 16.025,50.175 C39N.2@16.1,50.25
CP1O: C39O.2 U3O.1 | length 2.2
  L1 - Signal 1 (Top) w0.305: U3O.1@15.6,62.975 16.025,62.975 16.025,64.675 C39O.2@16.1,64.75
CP1P: C39P.2 U3P.1 | length 2.2
  L1 - Signal 1 (Top) w0.305: U3P.1@15.6,77.475 16.025,77.475 16.025,79.175 C39P.2@16.1,79.25
CP1Q: C39Q.2 U3Q.1 | length 2.2
  L1 - Signal 1 (Top) w0.305: U3Q.1@-41.35,-24.025 -40.925,-24.025 -40.925,-22.325 C39Q.2@-40.85,-22.25
CP1R: C39R.2 U3R.1 | length 2.2
  L1 - Signal 1 (Top) w0.305: U3R.1@-41.35,-9.525 -40.925,-9.525 -40.925,-7.825 C39R.2@-40.85,-7.75
CP1S: C39S.2 U3S.1 | length 2.2
  L1 - Signal 1 (Top) w0.305: U3S.1@-41.35,4.975 -40.925,4.975 -40.925,6.675 C39S.2@-40.85,6.75
CP1T: C39T.2 U3T.1 | length 2.2
  L1 - Signal 1 (Top) w0.305: U3T.1@-41.35,19.475 -40.925,19.475 -40.925,21.175 C39T.2@-40.85,21.25
CP1U: C39U.2 U3U.1 | length 2.2
  L1 - Signal 1 (Top) w0.305: U3U.1@-41.35,33.975 -40.925,33.975 -40.925,35.675 C39U.2@-40.85,35.75
CP1V: C39V.2 U3V.1 | length 2.2
  L1 - Signal 1 (Top) w0.305: U3V.1@-41.35,48.475 -40.925,48.475 -40.925,50.175 C39V.2@-40.85,50.25
CP1W: C39W.2 U3W.1 | length 2.2
  L1 - Signal 1 (Top) w0.305: U3W.1@-41.4,62.975 -40.975,62.975 -40.975,64.675 C39W.2@-40.9,64.75
CP1X: C39X.2 U3X.1 | length 2.2
  L1 - Signal 1 (Top) w0.305: U3X.1@-41.4,77.475 -40.975,77.475 -40.975,79.175 C39X.2@-40.9,79.25
CP2A: C39A.1 U3A.2 | length 3.9
  L1 - Signal 1 (Top) w0.305: C39A.1@70.75,-22.25 70.75,-22.375 70.2,-22.925 70.2,-24.25 70.625,-24.675 U3A.2@71.65,-24.675
CP2B: C39B.1 U3B.2 | length 3.9
  L1 - Signal 1 (Top) w0.305: C39B.1@70.75,-7.75 70.75,-7.875 70.2,-8.425 70.2,-9.75 70.625,-10.175 U3B.2@71.65,-10.175
CP2C: C39C.1 U3C.2 | length 3.9
  L1 - Signal 1 (Top) w0.305: C39C.1@70.75,6.75 70.75,6.625 70.2,6.075 70.2,4.75 70.625,4.325 U3C.2@71.65,4.325
CP2D: C39D.1 U3D.2 | length 3.9
  L1 - Signal 1 (Top) w0.305: C39D.1@70.75,21.25 70.75,21.125 70.2,20.575 70.2,19.25 70.625,18.825 U3D.2@71.65,18.825
CP2E: C39E.1 U3E.2 | length 3.9
  L1 - Signal 1 (Top) w0.305: C39E.1@70.75,35.75 70.75,35.625 70.2,35.075 70.2,33.75 70.625,33.325 U3E.2@71.65,33.325
CP2F: C39F.1 U3F.2 | length 3.9
  L1 - Signal 1 (Top) w0.305: C39F.1@70.75,50.25 70.75,50.125 70.2,49.575 70.2,48.25 70.625,47.825 U3F.2@71.65,47.825
CP2G: C39G.1 U3G.2 | length 3.9
  L1 - Signal 1 (Top) w0.305: C39G.1@70.75,64.75 70.75,64.625 70.2,64.075 70.2,62.75 70.625,62.325 U3G.2@71.65,62.325
CP2H: C39H.1 U3H.2 | length 3.9
  L1 - Signal 1 (Top) w0.305: C39H.1@70.75,79.25 70.75,79.125 70.2,78.575 70.2,77.25 70.625,76.825 U3H.2@71.65,76.825
CP2I: C39I.1 U3I.2 | length 3.9
  L1 - Signal 1 (Top) w0.305: C39I.1@14.7,-22.25 14.7,-22.375 14.15,-22.925 14.15,-24.25 14.575,-24.675 U3I.2@15.6,-24.675
CP2J: C39J.1 U3J.2 | length 3.9
  L1 - Signal 1 (Top) w0.305: C39J.1@14.7,-7.75 14.7,-7.875 14.15,-8.425 14.15,-9.75 14.575,-10.175 U3J.2@15.6,-10.175
CP2K: C39K.1 U3K.2 | length 3.9
  L1 - Signal 1 (Top) w0.305: C39K.1@14.7,6.75 14.7,6.625 14.15,6.075 14.15,4.75 14.575,4.325 U3K.2@15.6,4.325
CP2L: C39L.1 U3L.2 | length 3.9
  L1 - Signal 1 (Top) w0.305: C39L.1@14.7,21.25 14.7,21.125 14.15,20.575 14.15,19.25 14.575,18.825 U3L.2@15.6,18.825
CP2M: C39M.1 U3M.2 | length 3.9
  L1 - Signal 1 (Top) w0.305: C39M.1@14.7,35.75 14.7,35.625 14.15,35.075 14.15,33.75 14.575,33.325 U3M.2@15.6,33.325
CP2N: C39N.1 U3N.2 | length 3.9
  L1 - Signal 1 (Top) w0.305: C39N.1@14.7,50.25 14.7,50.125 14.15,49.575 14.15,48.25 14.575,47.825 U3N.2@15.6,47.825
CP2O: C39O.1 U3O.2 | length 3.9
  L1 - Signal 1 (Top) w0.305: C39O.1@14.7,64.75 14.7,64.625 14.15,64.075 14.15,62.75 14.575,62.325 U3O.2@15.6,62.325
CP2P: C39P.1 U3P.2 | length 3.9
  L1 - Signal 1 (Top) w0.305: C39P.1@14.7,79.25 14.7,79.125 14.15,78.575 14.15,77.25 14.575,76.825 U3P.2@15.6,76.825
CP2Q: C39Q.1 U3Q.2 | length 3.9
  L1 - Signal 1 (Top) w0.305: C39Q.1@-42.25,-22.25 -42.25,-22.375 -42.8,-22.925 -42.8,-24.25 -42.375,-24.675 U3Q.2@-41.35,-24.675
CP2R: C39R.1 U3R.2 | length 3.9
  L1 - Signal 1 (Top) w0.305: C39R.1@-42.25,-7.75 -42.25,-7.875 -42.8,-8.425 -42.8,-9.75 -42.375,-10.175 U3R.2@-41.35,-10.175
CP2S: C39S.1 U3S.2 | length 3.9
  L1 - Signal 1 (Top) w0.305: C39S.1@-42.25,6.75 -42.25,6.625 -42.8,6.075 -42.8,4.75 -42.375,4.325 U3S.2@-41.35,4.325
CP2T: C39T.1 U3T.2 | length 3.9
  L1 - Signal 1 (Top) w0.305: C39T.1@-42.25,21.25 -42.25,21.125 -42.8,20.575 -42.8,19.25 -42.375,18.825 U3T.2@-41.35,18.825
CP2U: C39U.1 U3U.2 | length 3.9
  L1 - Signal 1 (Top) w0.305: C39U.1@-42.25,35.75 -42.25,35.625 -42.8,35.075 -42.8,33.75 -42.375,33.325 U3U.2@-41.35,33.325
CP2V: C39V.1 U3V.2 | length 3.9
  L1 - Signal 1 (Top) w0.305: C39V.1@-42.25,50.25 -42.25,50.125 -42.8,49.575 -42.8,48.25 -42.375,47.825 U3V.2@-41.35,47.825
CP2W: C39W.1 U3W.2 | length 3.9
  L1 - Signal 1 (Top) w0.305: C39W.1@-42.3,64.75 -42.3,64.625 -42.85,64.075 -42.85,62.75 -42.425,62.325 U3W.2@-41.4,62.325
CP2X: C39X.1 U3X.2 | length 3.9
  L1 - Signal 1 (Top) w0.305: C39X.1@-42.3,79.25 -42.3,79.125 -42.85,78.575 -42.85,77.25 -42.425,76.825 U3X.2@-41.4,76.825